# Allegro board FMDEMOD-Long.brd
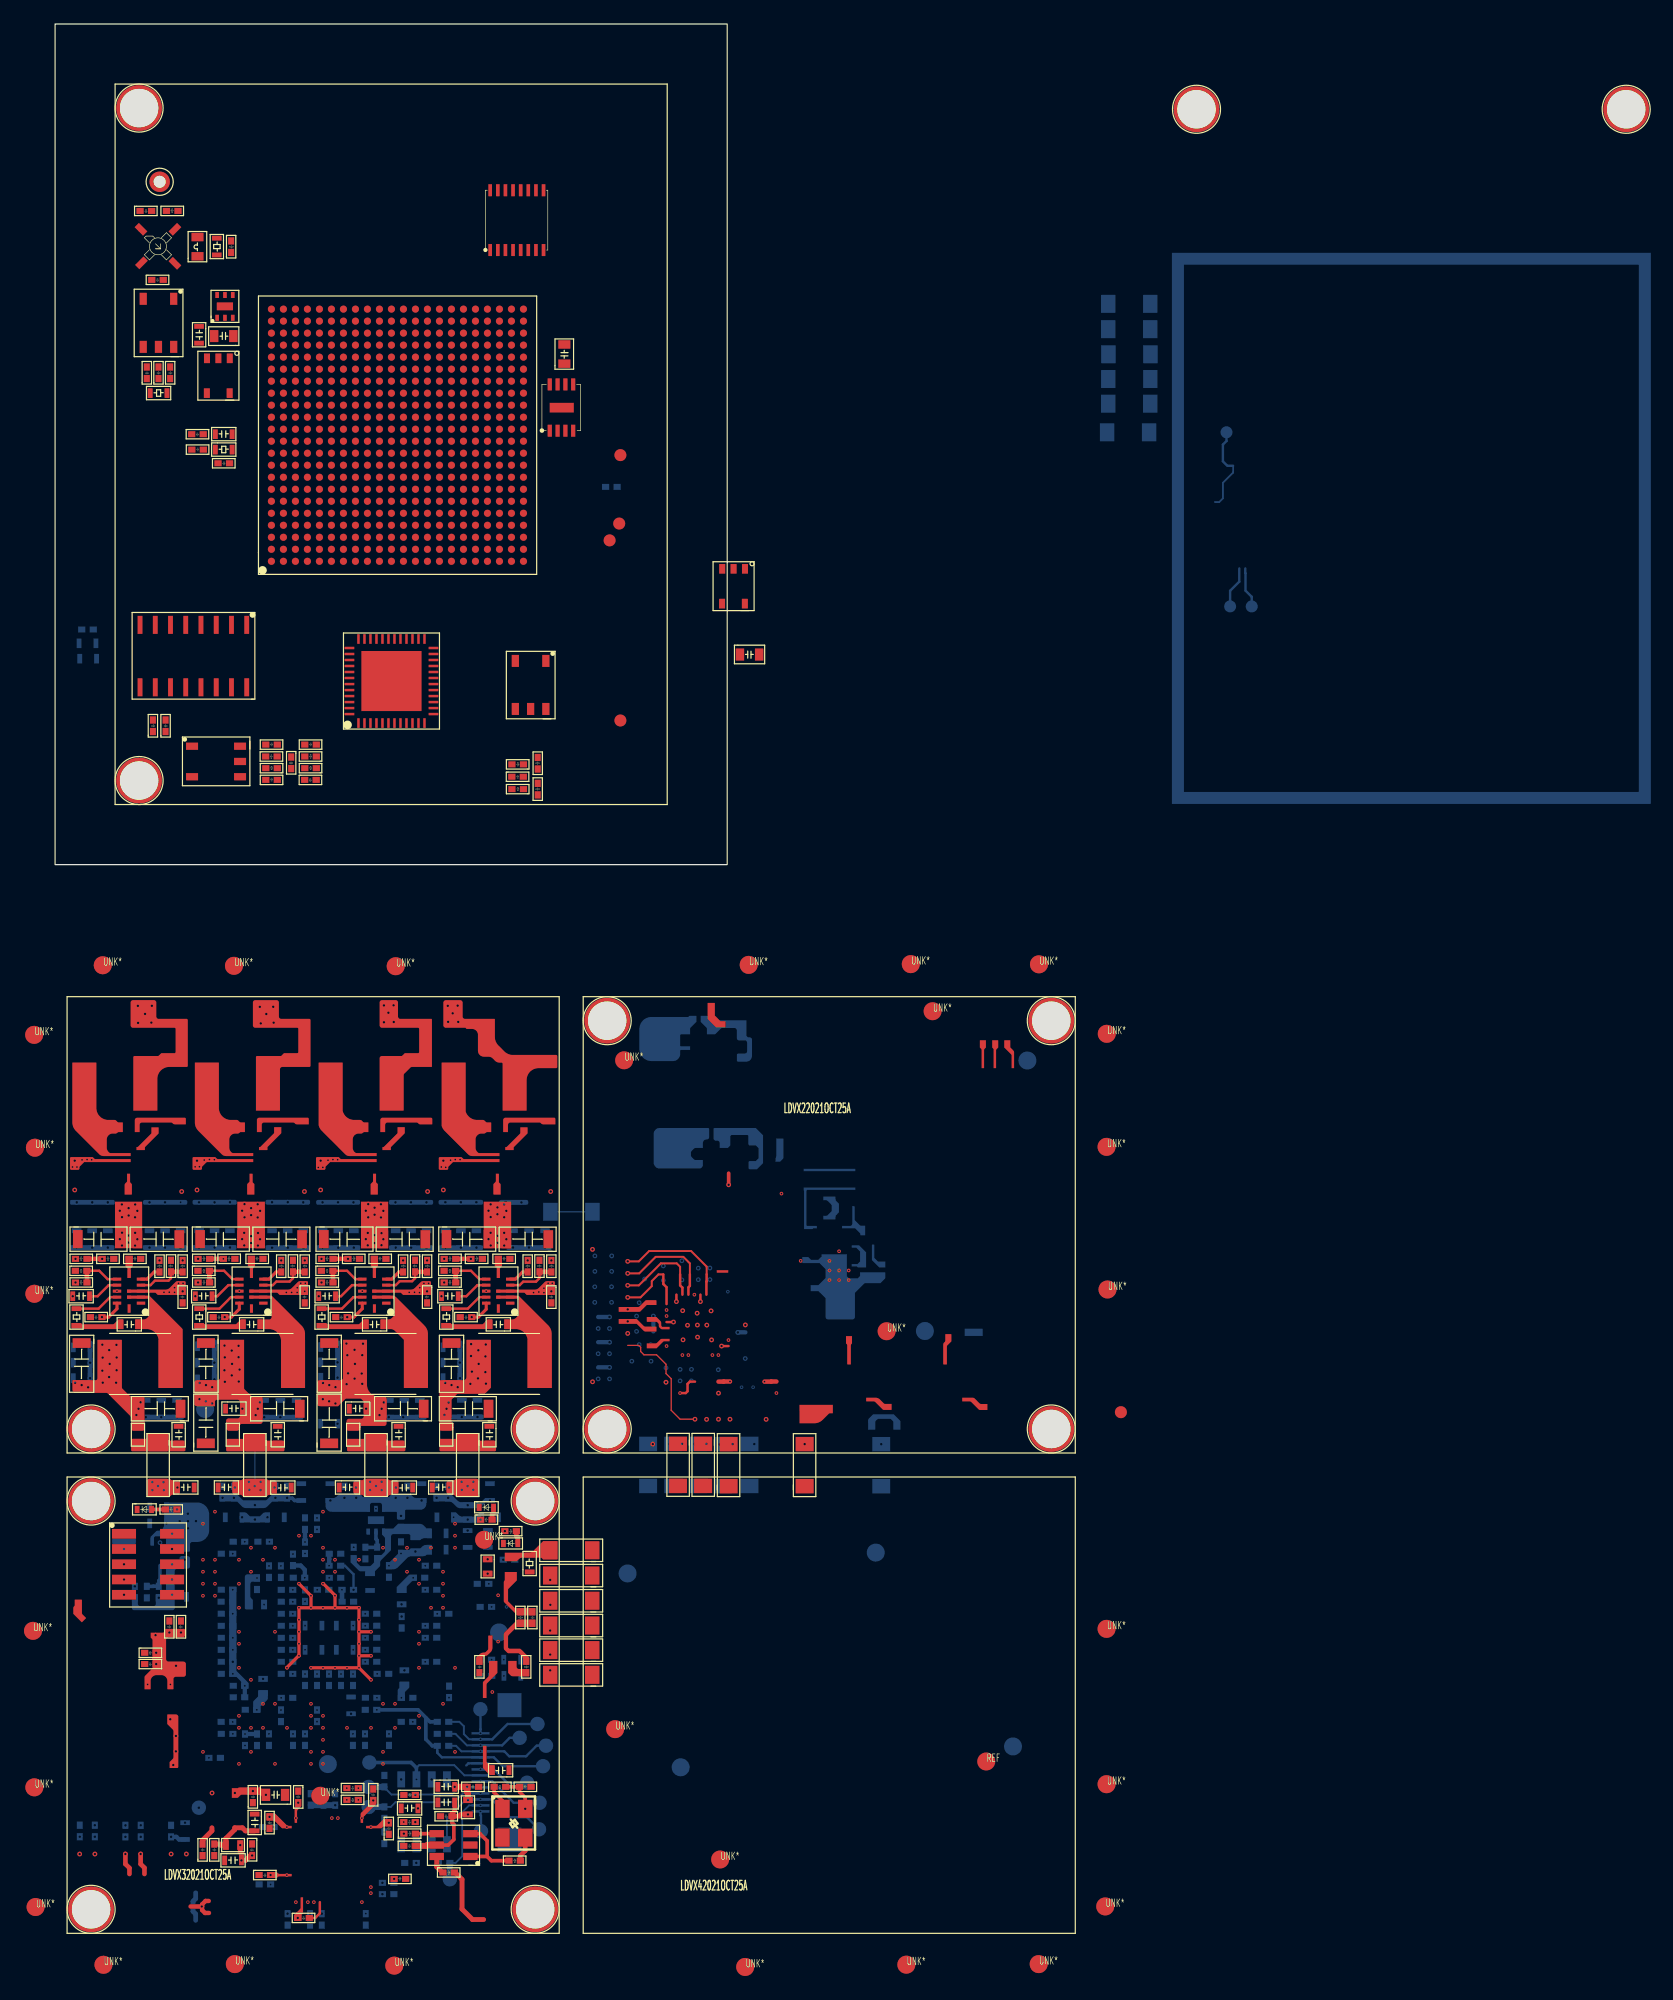
[diagram p0: board, top side]
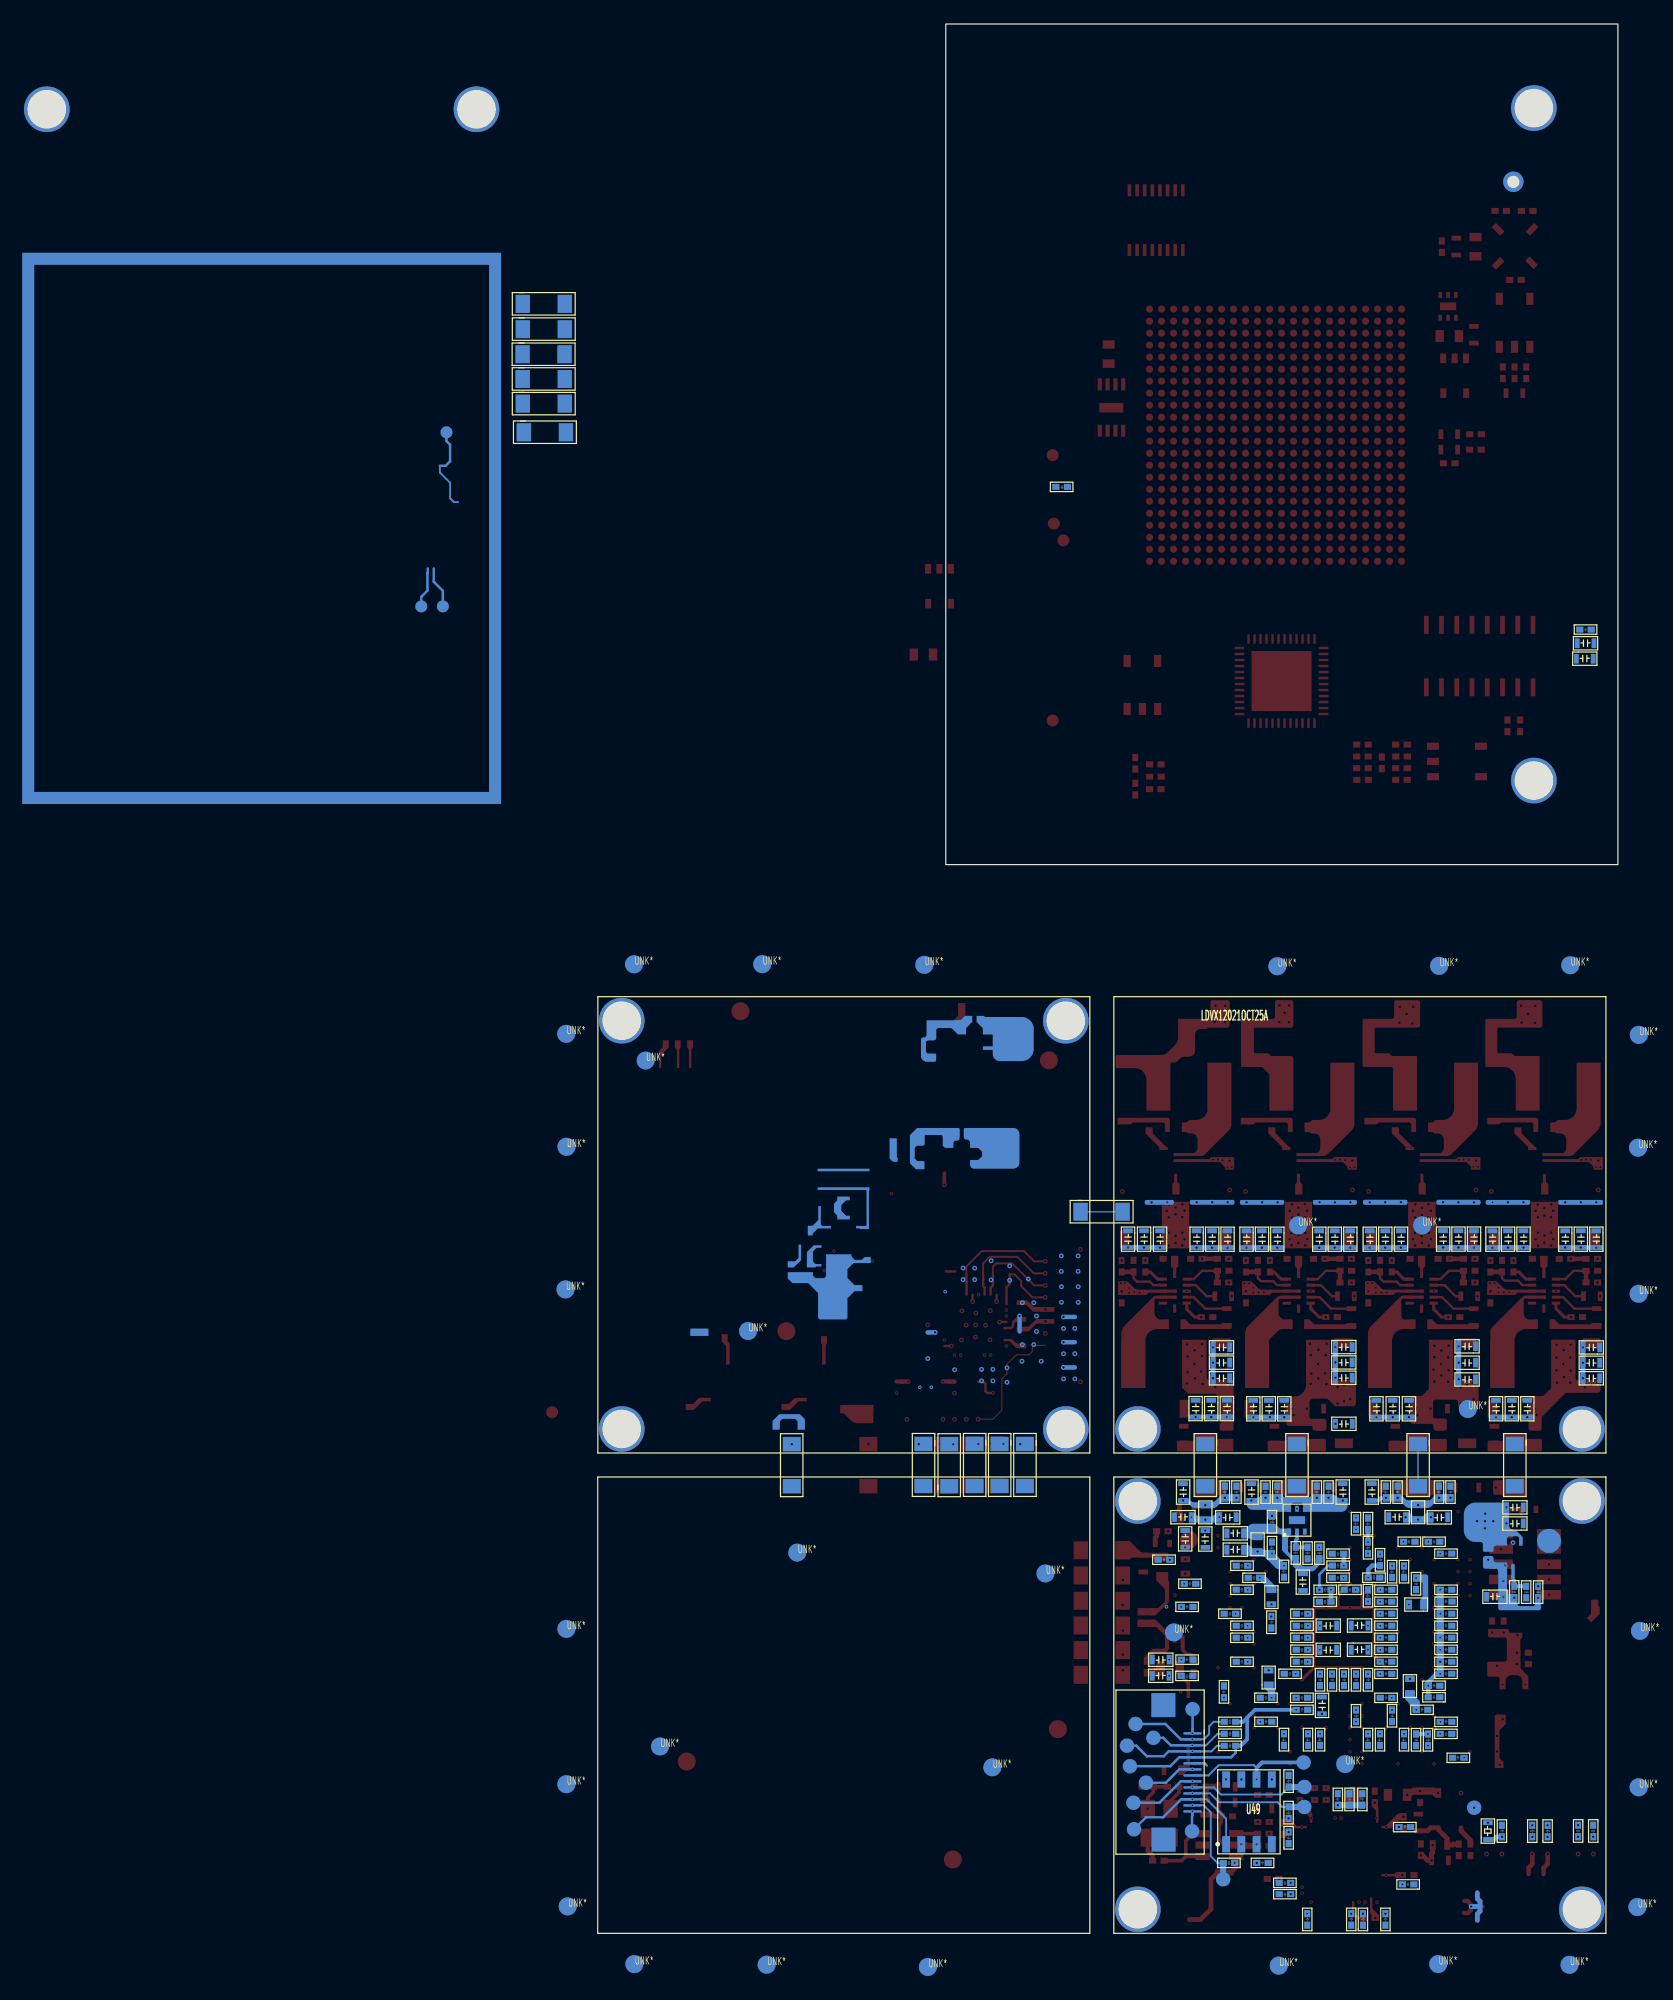
[diagram p1: board, bottom side, seen from below]

Outline 56 x 70 mm; copper layers: TOP, GND-L2, SIGNAL-L3, SIGNAL-L4, GND-L5, PWR-L6, SIGNAL-L7, SIGNAL-L8, GND-L9, BOTTOM. Coordinates in mm from the lower left corner of the outline.
Outline path: rectangle 0,0 56,70

## Design rules (mm)
constraint set DEFAULT: min track width 0.1
net group CLK2FPGA: nets CLK2FPGA N7587007
net group CLKO+: nets CLK_AD+ CLKO+
net group CLKO-: nets CLK_AD- CLKO-
net group CPU_UART3_RXD: nets CPU_UART3_RXD MCU_UART1_TXD
net group CPU_UART3_TXD: nets CPU_UART3_TXD MCU_UART1_RXD
net group CPU_UART4_TXD: nets CPU_UART4_TXD CPU_UART4_TXD_X
net group DATA0: nets DATA0 N7454523
net group FPGA_SPI2_CS: nets FPGA_SPI2_CS MCU_SPI2_NSS
net group FPGA_SPI2_MISO: nets FPGA_SPI2_MISO MCU_SPI2_MISO
net group FPGA_SPI2_MOSI: nets FPGA_SPI2_MOSI MCU_SPI2_MOSI
net group FPGA_SPI2_SCLK: nets FPGA_SPI2_SCLK MCU_SPI2_SCK
net group LED1: nets LED1 N7455499
net group LED2: nets LED2 N7455557
net group LED3: nets LED3 N7921484
net group MCU_RST_CPU: nets MCU_RST_CPU NRST_CPU
net group N7578107: nets N7578107 N7578654
net group N7581076: nets N7581076 N7581207
net group N7581083: nets N7581083 N7581229
net group N7586496: nets N7586496 N7586806
net group N7587454: nets N7587454 N7587591
net group N8196950: nets N8196950 N8196956
net group N8197004: nets N8197004 N8197018
net group N8197074: nets N8197074 N8197078
net group N8197176: nets N8197176 N8197194
net group N8197218: nets N8197218 N8197222
net group N8197320: nets N8197320 N8197338
net group N8197362: nets N8197362 N8197366
net group N8197464: nets N8197464 N8197482
net group RSSI: nets N7580738 RSSI
net group ADC_DATA_BUS: nets AD3
net group AIN+: nets AIN+ AIN- N7581273 N7581277 N7581373 N7581387 VCOM
net group AUDIO_OUT: nets AUDIO_OUT N7424382 N7424390 N7424630 N7424654 N7424662
net group CPU_RST_MCU: nets CPU_RST_MCU FPGA_RST_MCU NRST_MCU
net group CPU_UART2_RXD: nets CPU_UART2_RXD ECSPI3_SCLK FPGA_SPI_SCLK
net group CPU_UART2_TXD: nets CPU_UART2_TXD ECSPI3_CS0 FPGA_SPI_CS
net group CPU_UART4_RXD: nets CPU_UART4_RXD CPU_UART4_RXD_X FPGA_UART_TXD
net group ECSPI3_MISO: nets ECSPI3_MISO FPGA_SPI_MISO N7356015
net group ECSPI3_MOSI: nets ECSPI3_MOSI FPGA_SPI_MOSI N7355971
net group ENC+: nets ENC+ ENC- N7587990 N7588005 N7588017
net group MG_I2S: nets I2S_BCK I2S_DATA I2S_LRCK I2S_SCK
net group N7578935: nets N7578935 N7579108 N7579398
net group N7579488: nets N7579488 N7579492 N7579615 N7579629

## Placement (name value [footprint] x y rotation side)
A1  -  [ERA-2SM]  8.57 51.49 315 top
C61  22uF/50V  [C1206]  2.04 -31.98 0 top
C62  22uF/50V  [C1206]  10.2 -30.41 180 top
C63  22uF/50V  [C1206]  12.23 -31.98 0 top
C64  22uF/50V  [C1206]  20.43 -30.41 180 top
C65  22uF/50V  [C1206]  22.54 -31.98 0 top
C66  22uF/50V  [C1206]  30.7 -30.41 180 top
C67  22uF/50V  [C1206]  32.76 -31.98 0 top
C68  22uF/50V  [C1206]  40.95 -30.41 180 top
C69  15nF  [C0402]  7.14 -32.58 180 top
C70  15nF  [C0402]  17.33 -32.58 180 top
C71  15nF  [C0402]  27.58 -32.58 180 top
C72  15nF  [C0402]  37.9 -32.58 180 top
C75  100pF/25V  [C0603]  1.37 -36.34 0 top
C76  150pF/25V  [C0603]  11.58 -36.34 0 top
C77  100pF/25V  [C0603]  21.87 -36.34 0 top
C78  100pF/25V  [C0603]  32.09 -36.34 0 top
C79  0.1uF  [C0402]  10.38 -35.53 270 top
C80  0.1uF  [C0402]  20.55 -35.53 270 top
C81  0.1uF  [C0402]  30.74 -35.53 270 top
C82  0.1uF  [C0402]  41.09 -35.53 270 top
C84  1uF/10V  [C0402]  2.94 -37.93 0 top
C85  1uF/10V  [C0402]  13.16 -37.93 0 top
C86  1uF/10V  [C0402]  23.37 -37.93 0 top
C87  1uF/10V  [C0402]  33.74 -37.93 0 top
C88  0.1uF  [C0603]  6.98 -37.88 180 top
C89  0.1uF  [C0603]  17.18 -37.88 180 top
C90  0.1uF  [C0603]  27.42 -37.88 180 top
C91  0.1uF  [C0603]  37.73 -37.88 180 top
C103  22uF/25V  [C1206]  1.42 -40 270 top
C104  22uF/25V  [C1206]  11.78 -40 270 top
C105  22uF/25V  [C1206]  22.05 -40 270 top
C106  22uF/25V  [C1206]  32.24 -40 270 top
C115  22uF/25V  [C1206]  10.3 -44.53 180 top
C116  0.1uF/25V  [C0603]  14.1 -45.71 0 top
C117  22uF/25V  [C1206]  20.24 -44.53 180 top
C118  0.1uF/25V  [C0603]  24.41 -45.71 0 top
C119  22uF/25V  [C1206]  30.56 -44.53 180 top
C120  22uF/25V  [C1206]  35.96 -44.53 180 top
C124  22uF/25V  [C1206]  13.35 -48.05 90 top
C125  22uF/25V  [C1206]  23.62 -48.05 90 top
C126  0.1uF/25V  [C0603]  9.89 -46.68 270 top
C127  0.1uF/25V  [C0603]  18.15 -46.68 270 top
C128  0.1uF/25V  [C0603]  28.22 -46.68 270 top
C129  0.1uF/25V  [C0603]  35.77 -46.68 270 top
C130  0.1uF  [C0603]  10.09 -52.28 0 top
C131  0.1uF  [C0603]  13.48 -52.28 0 top
C132  0.1uF  [C0603]  19.77 -51.48 180 top
C133  0.1uF  [C0603]  23.57 -52.28 0 top
C134  0.1uF  [C0603]  29.9 -51.48 180 top
C135  0.1uF  [C0603]  31.33 -52.28 0 top
C140  10uF  [C0805]  43.05 41.51 90 top
C143  0.1uF  [C0402]  7.07 54.19 0 top
C144  0.1uF  [C0402]  40.01 -63.19 90 top
C145  0.1uF  [C0402]  9.27 -62.98 270 top
C146  0.1uF  [C0402]  10.24 -62.98 270 top
C147  0.1uF  [C0402]  7.45 -65.89 0 top
C148  10uF  [C0805]  15.05 44.63 180 top
C149  0.1uF  [C0402]  8.04 48.44 0 top
C150  0.1uF  [C0402]  7.45 -66.83 0 top
C151  0.1uF  [C0402]  35.6 -67.3 90 top
C152  10uF  [C0805]  56.86 16.87 0 top
C164  0.01uF  [C0402]  11.37 35.59 0 top
C165  10uF  [C0603]  13.25 35.44 0 top
C171  0.01uF  [C0402]  7.89 40.47 90 top
C172  0.01uF  [C0402]  8.86 40.47 90 top
C173  0.01uF  [C0402]  9.84 40.47 90 top
C175  0.01uF  [C0402]  12.36 34.81 180 top
C184  0.1uF  [C0402]  13.56 33.17 0 top
C186  10uF  [C0603]  37.92 -75.01 180 top
C191  10uF  [C0603]  31.79 -77.2 0 top
C192  0.1uF  [C0402]  35.3 -76.55 180 top
C193  0.1uF  [C0402]  39.67 -76.55 180 top
C198  0.1uF  [C0402]  26.26 -76.97 270 top
C199  0.1uF  [C0402]  29.05 -77.72 0 top
C200  10uF  [C0805]  19.36 -76.85 180 top
C201  0.1uF  [C0402]  16.73 -78.12 90 top
C202  0.1uF  [C0402]  20.01 -77.15 270 top
C204  10uF  [C0603]  31.79 -78.5 0 top
C205  10uF  [C0603]  28.74 -79 0 top
C206  0.1uF  [C0402]  32.1 -79.5 0 top
C207  10uF  [C0603]  16.23 -78.97 270 top
C208  0.1uF  [C0402]  18.11 -80.27 90 top
C209  0.1uF  [C0402]  28.05 -80.76 90 top
C210  0.1uF  [C0402]  29.04 -81.97 0 top
C211  0.01uF  [C0402]  12.54 -82.53 90 top
C212  0.1uF  [C0402]  13.51 -82.53 90 top
C213  0.1uF  [C0402]  16.17 -81.55 270 top
C214  10uF  [C0603]  14.03 -83.33 0 top
C215  0.01uF  [C0402]  8.4 11.07 90 top
C216  0.01uF  [C0402]  9.45 11.07 90 top
C217  0.1uF  [C0402]  16.98 -84.39 0 top
C218  0.1uF  [C0402]  29.22 -84.22 180 top
C219  1uF  [C0402]  18.52 10.24 180 top
C220  8.2pF  [C0402]  21.77 10.24 180 top
C221  0.1uF  [C0402]  38.04 7.07 0 top
C222  8.2pF  [C0402]  19.42 8.97 270 top
C242  2.2uF  [C0402]  20.21 -87.97 0 top
C243  1uF  [C0402]  18.52 7.3 180 top
C244  8.2pF  [C0402]  20.78 6.8 0 top
C364  0.1uF/50V  [C0603]  14.97 -30.39 270 bottom
C365  0.1uF/50V  [C0603]  13.69 -30.39 270 bottom
C366  0.1uF/50V  [C0603]  12.39 -30.39 270 bottom
C367  0.1uF/50V  [C0603]  41.22 -30.39 270 bottom
C368  0.1uF/50V  [C0603]  39.89 -30.39 270 bottom
C369  0.1uF/50V  [C0603]  38.55 -30.39 270 bottom
C370  0.1uF/25V  [C0603]  10.86 -30.39 270 bottom
C371  0.1uF/25V  [C0603]  9.56 -30.39 270 bottom
C372  0.1uF/25V  [C0603]  8.27 -30.39 270 bottom
C373  0.1uF/25V  [C0603]  4.79 -30.39 270 bottom
C374  0.1uF/25V  [C0603]  3.49 -30.39 270 bottom
C375  0.1uF/25V  [C0603]  2.2 -30.39 270 bottom
C376  0.1uF/50V  [C0603]  35.51 -30.4 270 bottom
C377  0.1uF/50V  [C0603]  34.21 -30.4 270 bottom
C378  0.1uF/50V  [C0603]  32.93 -30.4 270 bottom
C379  0.1uF/50V  [C0603]  31.35 -30.4 270 bottom
C380  0.1uF/50V  [C0603]  30.06 -30.4 270 bottom
C381  0.1uF/50V  [C0603]  28.78 -30.4 270 bottom
C382  0.1uF/50V  [C0603]  25.29 -30.4 270 bottom
C383  0.1uF/50V  [C0603]  24 -30.4 270 bottom
C384  0.1uF/50V  [C0603]  22.7 -30.4 270 bottom
C385  0.1uF/50V  [C0603]  21.08 -30.4 270 bottom
C386  0.1uF/50V  [C0603]  19.79 -30.4 270 bottom
C387  0.1uF/50V  [C0603]  18.48 -30.4 270 bottom
C413  0.1uF/25V  [C0603]  11.77 -39.71 0 bottom
C414  0.1uF/25V  [C0603]  22.04 -39.77 0 bottom
C415  0.1uF/25V  [C0603]  32.23 -39.8 0 bottom
C416  0.1uF/25V  [C0603]  1.42 -39.8 0 bottom
C420  0.1uF/25V  [C0603]  22.04 -41.05 0 bottom
C421  0.1uF/25V  [C0603]  32.23 -41.07 0 bottom
C422  0.1uF/25V  [C0603]  11.77 -41.08 0 bottom
C423  0.1uF/25V  [C0603]  1.42 -41.08 0 bottom
C426  0.1uF/25V  [C0603]  22.04 -42.33 0 bottom
C427  0.1uF/25V  [C0603]  1.42 -42.37 0 bottom
C428  0.1uF/25V  [C0603]  32.23 -42.37 0 bottom
C429  0.1uF/25V  [C0603]  11.77 -42.47 0 bottom
C432  0.1uF/25V  [C0603]  35.59 -44.5 270 bottom
C433  0.1uF/25V  [C0603]  34.29 -44.5 270 bottom
C434  0.1uF/25V  [C0603]  32.98 -44.5 270 bottom
C435  0.1uF/25V  [C0603]  10.56 -44.52 270 bottom
C436  0.1uF/25V  [C0603]  9.24 -44.52 270 bottom
C437  0.1uF/25V  [C0603]  7.95 -44.52 270 bottom
C438  0.1uF/25V  [C0603]  30.78 -44.52 270 bottom
C439  0.1uF/25V  [C0603]  29.49 -44.52 270 bottom
C440  0.1uF/25V  [C0603]  28.2 -44.52 270 bottom
C441  0.1uF/25V  [C0603]  20.52 -44.52 270 bottom
C442  0.1uF/25V  [C0603]  19.17 -44.52 270 bottom
C443  0.1uF/25V  [C0603]  17.82 -44.52 270 bottom
C445  0.1uF/25V  [C0603]  22.03 -46.16 0 bottom
C446  10uF  [C0603]  36.63 -51.45 270 bottom
C447  0.1uF  [C0402]  33 -51.76 270 bottom
C448  0.1uF  [C0402]  32.03 -51.76 270 bottom
C449  10uF  [C0603]  30.93 -51.45 270 bottom
C450  0.1uF  [C0402]  29.61 -51.76 270 bottom
C451  0.1uF  [C0402]  28.63 -51.76 270 bottom
C452  0.1uF  [C0402]  25.34 -51.76 270 bottom
C453  0.1uF  [C0402]  24.36 -51.76 270 bottom
C454  10uF  [C0603]  23.33 -51.45 270 bottom
C455  10uF  [C0603]  20.91 -51.45 270 bottom
C456  0.1uF  [C0402]  19.58 -51.76 270 bottom
C457  0.1uF  [C0402]  18.61 -51.76 270 bottom
C458  0.1uF  [C0402]  15.15 -51.76 270 bottom
C459  0.1uF  [C0402]  14.2 -51.76 270 bottom
C461  10uF  [C0603]  7.78 -53.12 0 bottom
C462  10uF  [C0603]  37.04 -54.75 180 bottom
C463  10uF  [C0603]  31.71 -53.95 0 bottom
C464  10uF  [C0603]  19.19 -54.75 180 bottom
C465  10uF  [C0603]  14.08 -53.95 0 bottom
C466  10uF  [C0603]  7.78 -54.46 0 bottom
C467  10uF  [C0603]  32.68 -56.1 180 bottom
C468  10uF  [C0603]  36.46 -55.35 270 bottom
C469  10uF  [C0603]  33.97 -56.96 90 bottom
C470  0.1uF  [C0402]  16.89 -56.14 0 bottom
C471  0.1uF  [C0402]  15.81 -56.64 180 bottom
C473  0.1uF  [C0402]  29.07 -56.4 270 bottom
C474  10uF  [C0603]  32.68 -57.45 180 bottom
C478  0.1uF  [C0402]  13.83 -57.14 0 bottom
C480  0.1uF  [C0402]  38.31 -58.14 180 bottom
C481  0.1uF  [C0402]  31.81 -58.64 180 bottom
C482  0.1uF  [C0402]  28.07 -58.38 270 bottom
C483  0.1uF  [C0402]  19.06 -58.39 270 bottom
C484  0.1uF  [C0402]  18.07 -58.39 270 bottom
C485  0.1uF  [C0402]  30.81 -59.64 180 bottom
C486  0.1uF  [C0402]  23.81 -59.64 180 bottom
C488  10uF  [C0603]  11.59 44.92 270 top
C489  10uF  [C0603]  25.84 -60.55 90 bottom
C490  0.1uF  [C0402]  16.57 -60.38 90 bottom
C491  0.1uF  [C0402]  35.16 -59.64 0 bottom
C498  0.1uF  [C0402]  14.81 -60.64 180 bottom
C499  0.1uF  [C0402]  22.81 -60.64 180 bottom
C500  0.1uF  [C0402]  31.81 -60.64 180 bottom
C501  0.1uF  [C0402]  18.83 -60.14 0 bottom
C502  0.1uF  [C0402]  21.07 -60.39 270 bottom
C503  10uF  [C0603]  11.04 -61.38 180 bottom
C505  0.1uF  [C0402]  13.82 -61.13 0 bottom
C506  0.1uF  [C0402]  18.83 -61.14 0 bottom
C507  0.1uF  [C0402]  46.84 31.2 180 bottom
C508  0.1uF  [C0402]  35.4 -61.56 0 bottom
C509  0.1uF  [C0402]  26.81 -62.64 180 bottom
C510  0.1uF  [C0402]  13.83 -62.14 0 bottom
C511  0.1uF  [C0402]  18.83 -62.14 0 bottom
C512  0.1uF  [C0402]  32.81 -62.64 180 bottom
C514  0.1uF  [C0402]  28.63 -63.58 90 bottom
C516  10uF  [C0603]  23.33 -62.97 0 bottom
C517  10uF  [C0603]  22.33 -63.77 180 bottom
C518  0.1uF  [C0402]  26.81 -63.64 180 bottom
C519  0.1uF  [C0402]  31.81 -63.64 180 bottom
C520  0.1uF  [C0402]  18.83 -63.14 0 bottom
C521  0.1uF  [C0402]  13.83 -63.14 0 bottom
C522  0.1uF  [C0402]  26.81 -64.64 180 bottom
C523  0.1uF  [C0402]  13.84 -64.14 0 bottom
C524  0.1uF  [C0402]  31.81 -64.64 180 bottom
C526  0.1uF  [C0402]  18.83 -64.14 0 bottom
C529  0.1uF  [C0402]  26.81 -65.64 180 bottom
C530  10uF  [C0603]  23.33 -64.99 0 bottom
C531  10uF  [C0603]  22.33 -65.79 180 bottom
C533  0.1uF  [C0402]  13.84 -65.14 0 bottom
C534  0.1uF  [C0402]  18.83 -65.14 0 bottom
C540  10uF  [C0603]  37.29 -65.81 0 bottom
C541  0.1uF  [C0402]  35.4 -65.96 0 bottom
C542  0.1uF  [C0402]  26.81 -66.63 180 bottom
C543  0.1uF  [C0402]  18.83 -66.13 0 bottom
C544  0.1uF  [C0402]  31.81 -66.64 180 bottom
C545  0.1uF  [C0402]  13.84 -66.14 0 bottom
C548  0.1uF  [C0402]  27.81 -67.64 180 bottom
C549  0.1uF  [C0402]  13.84 -67.14 0 bottom
C550  0.1uF  [C0402]  18.83 -67.14 0 bottom
C551  10uF  [C0603]  38.9 -67.96 180 bottom
C552  0.1uF  [C0402]  36.39 -67.81 180 bottom
C554  0.1uF  [C0402]  24.57 -68.37 90 bottom
C555  0.1uF  [C0402]  23.57 -68.37 90 bottom
C556  0.1uF  [C0402]  22.57 -68.37 90 bottom
C557  0.1uF  [C0402]  21.57 -68.37 90 bottom
C558  0.1uF  [C0402]  20.57 -68.37 90 bottom
C559  0.1uF  [C0402]  14.83 -68.13 0 bottom
C561  0.1uF  [C0402]  33.07 -68.4 270 bottom
C562  0.1uF  [C0402]  14.83 -69.09 0 bottom
C563  0.1uF  [C0402]  29.82 -69.63 180 bottom
C564  0.1uF  [C0402]  26.82 -69.63 180 bottom
C565  0.1uF  [C0402]  18.83 -69.14 0 bottom
C575  10uF  [C0603]  25.06 -69.22 270 bottom
C577  0.1uF  [C0402]  15.83 -70.13 0 bottom
C578  0.1uF  [C0402]  25.83 -70.14 0 bottom
C579  0.1uF  [C0402]  18.57 -71.37 90 bottom
C580  0.1uF  [C0402]  28.83 -71.13 0 bottom
C581  0.1uF  [C0402]  13.83 -71.14 0 bottom
C582  0.1uF  [C0402]  14.82 -72.64 180 bottom
C583  0.1uF  [C0402]  28.07 -72.38 270 bottom
C584  0.1uF  [C0402]  26.07 -72.38 270 bottom
C585  0.1uF  [C0402]  25.07 -72.38 270 bottom
C586  0.1uF  [C0402]  21.07 -72.38 270 bottom
C587  0.1uF  [C0402]  20.07 -72.38 270 bottom
C588  0.1uF  [C0402]  18.07 -72.38 270 bottom
C589  0.1uF  [C0402]  16.57 -73.37 90 bottom
C593  0.1uF  [C0402]  12.8 -74.13 0 bottom
C597  0.1uF  [C0402]  23.59 -77.36 270 bottom
C598  0.1uF  [C0402]  22.61 -77.36 270 bottom
C599  0.1uF  [C0402]  21.54 -77.36 270 bottom
C602  0.1uF  [C0402]  17.27 -79.9 0 bottom
C604  0.1uF  [C0402]  9.41 -80.97 90 bottom
C605  33pF  [C0402]  3.56 -79.99 270 bottom
C608  0.1uF  [C0402]  27.18 -81.53 90 bottom
C612  0.1uF  [C0402]  29.12 -82.89 0 bottom
C613  0.1uF  [C0402]  28.24 -85.05 180 bottom
C614  0.1uF  [C0402]  16.99 -84.68 0 bottom
C615  10uF  [C0603]  3.56 16.74 180 bottom
C616  0.1uF  [C0402]  28.24 -85.99 180 bottom
C617  2.2uF  [C0402]  3.19 19.33 180 bottom
C637  0.1uF  [C0402]  25.63 -88.33 90 bottom
C638  0.1uF  [C0402]  21.97 -88.33 90 bottom
C639  0.1uF  [C0402]  20.99 -88.33 90 bottom
C640  0.1uF  [C0402]  19.12 -88.33 90 bottom
C641  10uF  [C0603]  3.5 18.03 180 bottom
D11  LED  [LED0402]  35.43 -53.77 0 top
D12  LED  [LED0402]  6.93 -53.95 0 top
D13  LED  [LED0402]  37.45 -56.78 0 top
J4  HEADER-2X5P  [HEADER-2X5P-1D27-SMD]  9.74 -55.72 270 top
J9  FPC-14P-0.5  [FPC-14P-0D5]  38.92 -75.6 270 bottom
L7  4.7uH/2A  [CD54-IND-2P]  9.63 -39.04 180 top
L8  4.7uH/2A  [CD54-IND-2P]  19.82 -39.04 180 top
L9  2.2uH/2A  [CD54-IND-2P]  30.07 -39.04 180 top
L10  2.2uH/2A  [CD54-IND-2P]  40.37 -39.04 180 top
L13  BLM18SP102SN1D  [FB0603]  6.5 -46.68 270 top
L14  BLM18SP102SN1D  [FB0603]  14.4 -46.68 270 top
L15  BLM18SP102SN1D  [FB0603]  24.44 -46.68 270 top
L16  BLM18SP102SN1D  [FB0603]  32.19 -46.68 270 top
L18  BEAD  [FB0603]  35.64 -57.65 270 top
L19  1uH/100mA  [L0805]  12.48 50.46 90 top
L21  BEAD  [FB0603]  34 -77.7 270 top
L22  BEAD  [FB0603]  14.03 -82.05 0 top
L35  BEAD  [FB0603]  33.98 -54.75 90 bottom
L36  BEAD  [FB0603]  17.05 -53.14 270 bottom
L37  BEAD  [FB0603]  30.42 -55.8 270 bottom
L38  BEAD  [FB0603]  29.27 -60.2 270 bottom
L39  BEAD  [FB0603]  16.01 -61.22 0 bottom
L40  BEAD  [FB0603]  28.7 -68.5 90 bottom
L41  BEAD  [FB0603]  16.93 -69.21 90 bottom